# Allegro board meta_module_lay_rev1.brd (continued)
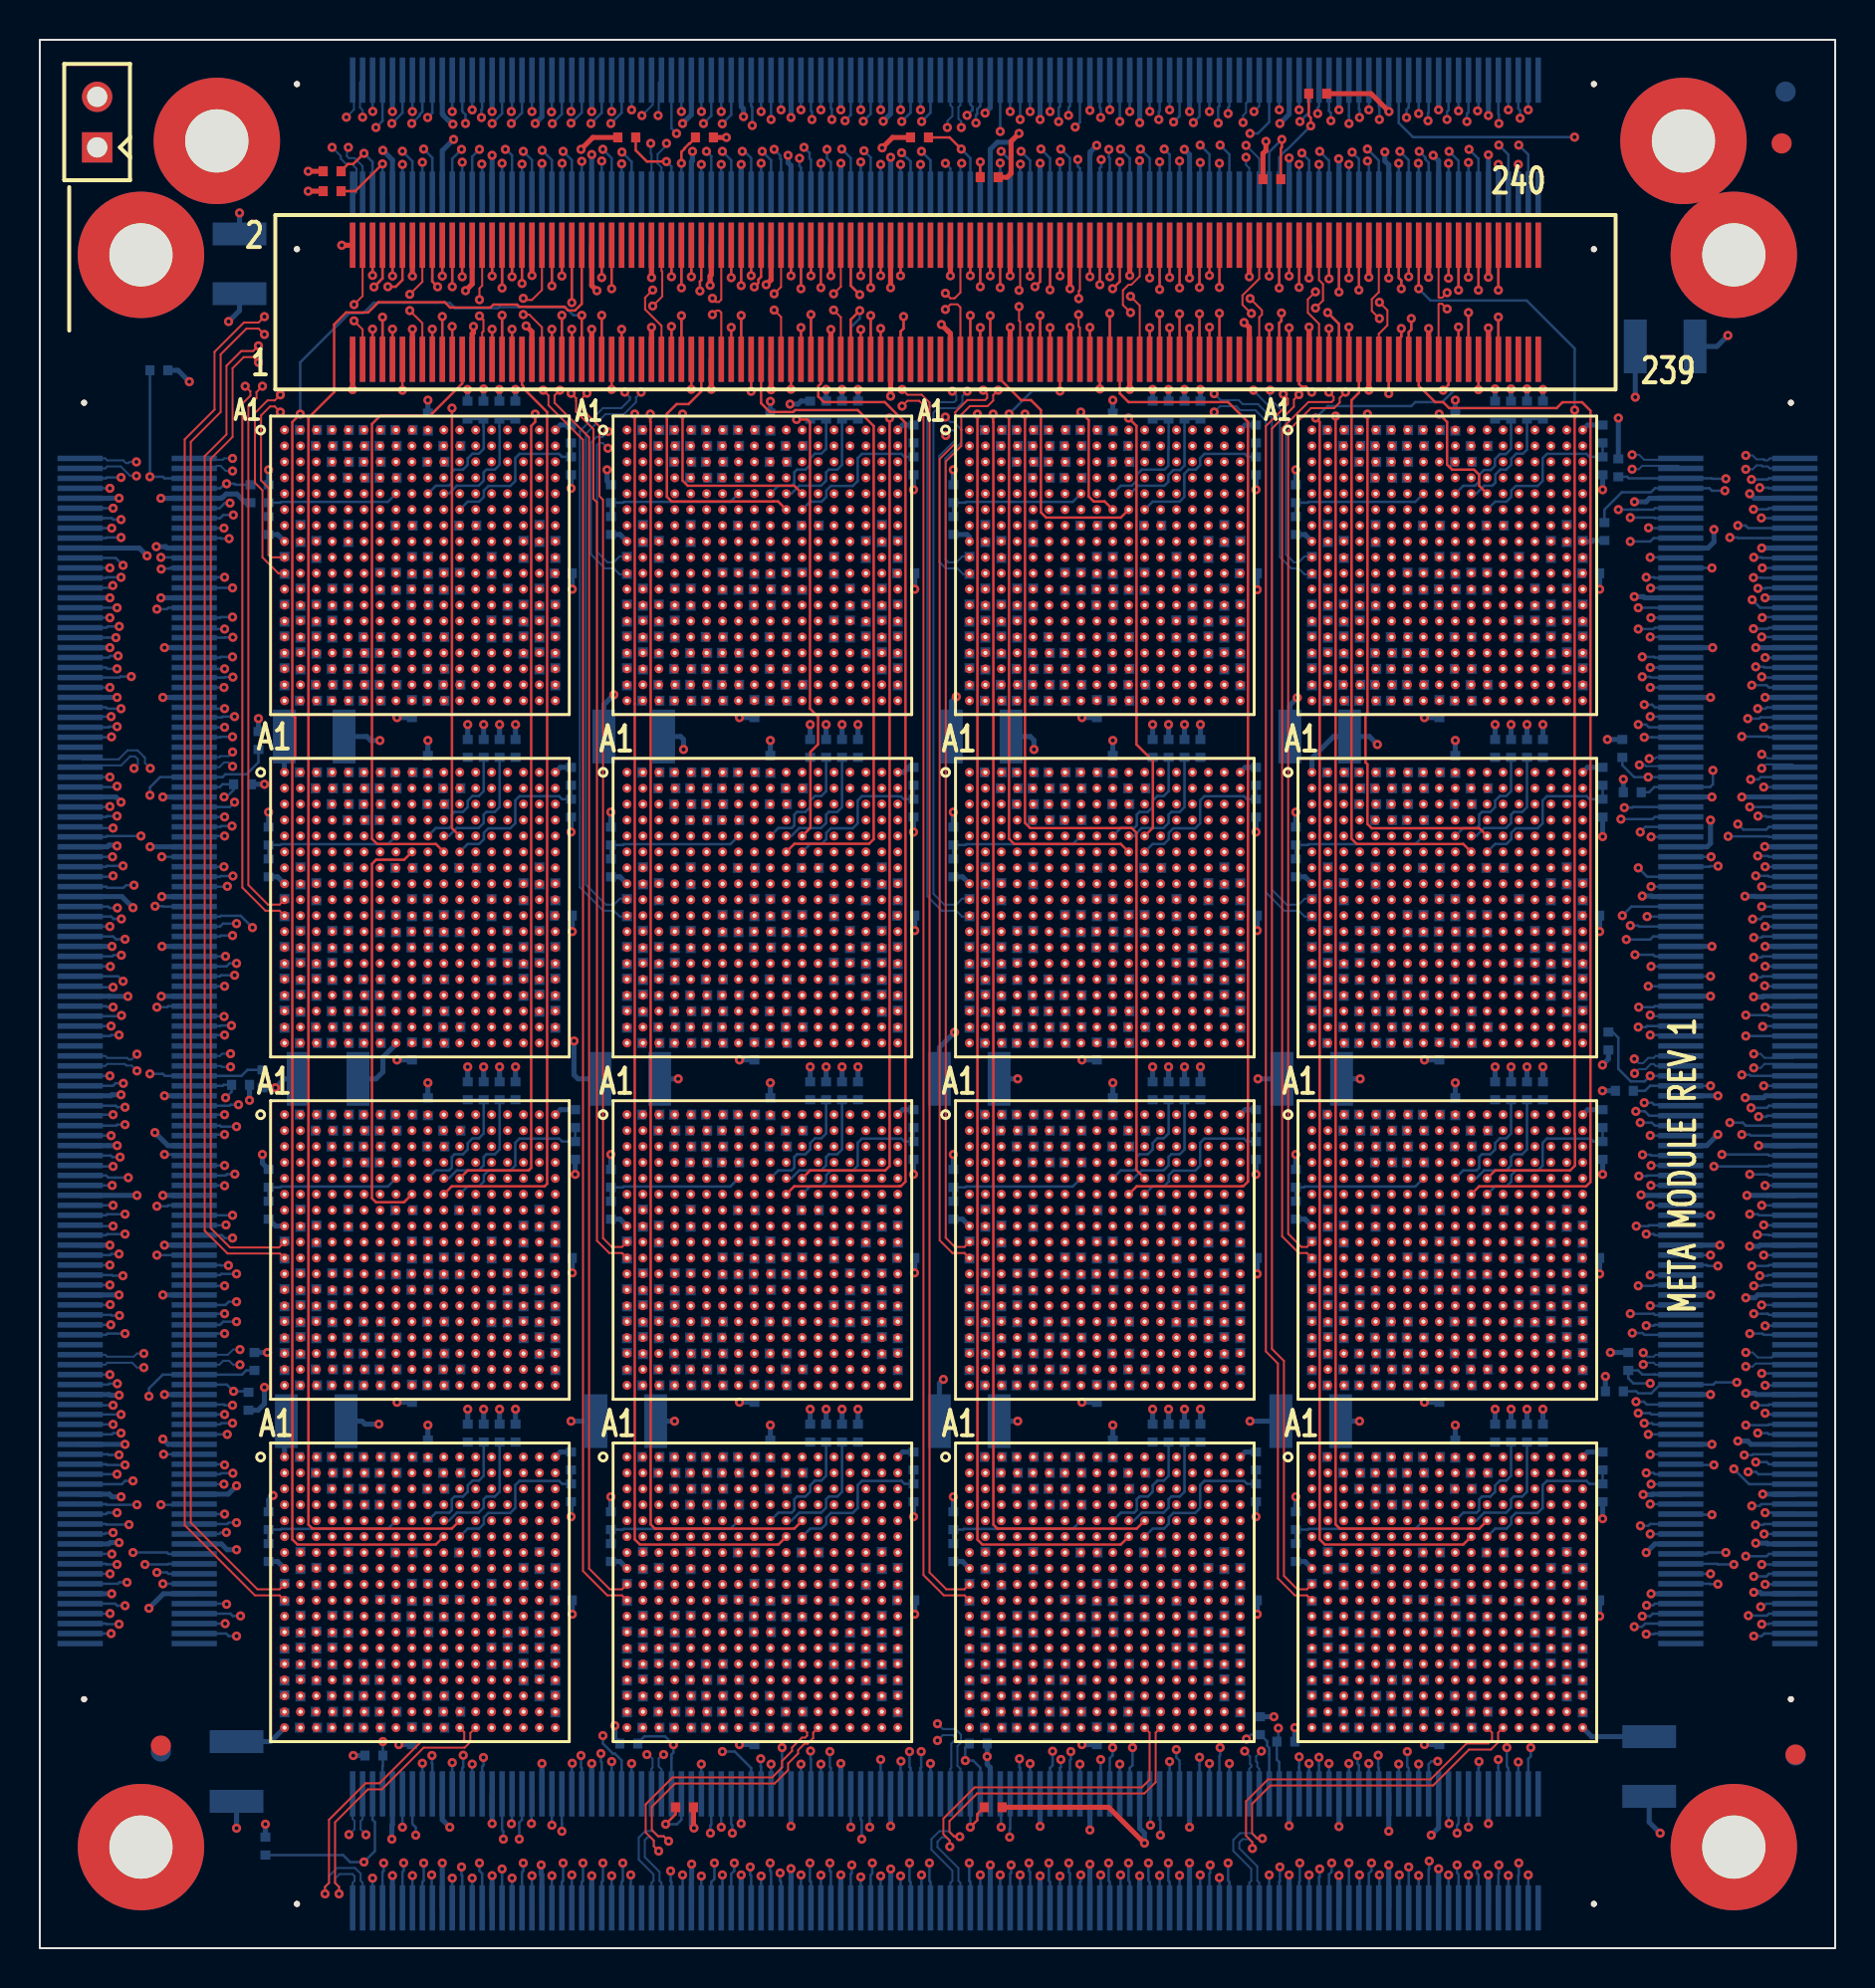
[diagram p0: board, top side]
## Routing (per net, layer and track width the routed paths; a pad name or vN(x,y) marks a point on that pad's centre or on a via; arc(x,y) is an arc through that point) (continued)
NO_LCLK_IN_P2: length 19.6
  SIGNAL_L12 w0.081: U7.A7 51.29,76.48 51.28,76.48 51.28,76.95 48.92,79.31 46.85,79.31 44.81,81.35 44.81,84.24 46.05,85.49 46.05,89.44 v1(46.3,89.68)
  BOTTOM w0.102: v1(46.3,89.68) 46.23,89.62 J1.117
NO_LCLK_IN_P3: length 25.6
  SIGNAL_L12 w0.081: U5.A7 68.45,76.52 68.45,79.01 67.88,79.58 61.85,79.58 60.11,81.32 60.11,84.24 61.68,85.81 61.68,90.15 61.38,90.45 61.01,90.45 60.88,90.58 v1(60.58,90.58)
  BOTTOM w0.102: v1(60.58,90.58) 61.24,89.91 J1.57
NO_LCLK_OUT_N0: length 27.7
  SIGNAL_L12 w0.081: U3.A12 21.38,76.57 21.38,77.31 20.78,77.91 20.78,79.85 21.08,80.15 21.08,81.78 20.41,82.45 19.64,82.45 19.25,82.84 19.25,83.74 19.34,83.83 19.34,87.31 20.01,87.98 20.01,92.08 19.34,92.75 14.96,92.75 14.88,92.67 14.88,91.68 15.05,91.51 15.57,91.51 15.65,91.59 15.65,91.74 v1(15.4,92)
  BOTTOM w0.102: J1.240 15.78,93.79 15.78,92.38 v1(15.4,92)
NO_LCLK_OUT_N1: length 29.5
  SIGNAL_L12 w0.081: v1(30.24,92.08) 30.48,91.84 30.48,91.49 30.75,91.21 31.48,91.21 31.75,91.49 31.75,92.34 32.07,92.65 34.51,92.65 34.64,92.52 34.64,91.72 35.48,90.88 35.49,90.88 36.07,90.88 36.07,90.88 38.58,90.88 38.78,90.68 38.78,90.22 38.53,89.97 38.53,88.13 40.25,86.41 40.25,80.35 38.59,78.69 38.59,76.58 U1.A12
  BOTTOM w0.102: v1(30.24,92.08) 30.78,92.62 30.78,93.8 J1.180
NO_LCLK_OUT_N2: length 28.7
  SIGNAL_L12 w0.081: v1(45.58,91.48) 45.76,91.3 45.76,91.04 46.04,90.77 47.13,90.77 48.36,92 48.36,92.43 48.61,92.68 51.71,92.68 52.04,92.36 52.04,91.99 52.37,91.65 52.37,90.16 52.5,90.03 52.5,88.5 52.04,88.04 52.04,83.67 52.85,82.86 52.85,82.04 55.18,79.7 55.18,77.71 55.73,77.16 55.73,76.52 U7.A12
  BOTTOM w0.102: v1(45.58,91.48) 45.59,91.83 45.81,92.03 45.83,92.05 45.83,92.5 45.73,92.6 J1.120
NO_LCLK_OUT_N3: length 37.4
  SIGNAL_L12 w0.081: v1(60.43,91.73) 60.75,91.73 60.98,91.5 61.47,91.5 61.81,91.84 61.81,92.45 62.24,92.88 74.91,92.88 75.45,92.34 75.45,86.55 75.06,86.16 75.06,79.7 75.86,78.9 75.86,78.13 75.55,77.81 73.81,77.81 72.93,76.93 72.93,76.52 U5.A12
  BOTTOM w0.102: J1.60 60.75,92.86 60.58,92.7 60.58,92.23 60.43,92.08 v1(60.43,91.73)
NO_LCLK_OUT_P0: length 29.7
  SIGNAL_L12 w0.081: v1(16.21,92) 15.98,91.77 15.98,91.45 15.71,91.18 14.91,91.18 14.55,91.54 14.55,92.81 14.82,93.08 19.48,93.08 20.34,92.22 20.34,87.84 19.67,87.17 19.67,83.69 19.58,83.6 19.58,82.98 19.78,82.78 20.55,82.78 21.41,81.92 21.41,80.01 21.11,79.71 21.11,78.05 21.71,77.45 21.71,76.46 U3.A13
  BOTTOM w0.102: J1.238 16.08,93.73 16.08,92.48 16.21,92.35 v1(16.21,92)
NO_LCLK_OUT_P1: length 29.3
  SIGNAL_L12 w0.081: U1.A13 38.92,76.45 38.92,78.56 40.58,80.21 40.58,86.55 38.86,88.27 38.86,89.83 39.11,90.09 39.11,90.82 38.72,91.21 35.93,91.21 35.62,91.21 34.97,91.85 34.97,92.66 34.65,92.98 31.93,92.98 31.42,92.47 31.42,91.63 31.34,91.55 30.89,91.55 30.81,91.63 30.81,91.84 v1(31.05,92.08)
  BOTTOM w0.102: J1.178 31.08,93.72 31.08,92.11 v1(31.05,92.08)
NO_LCLK_OUT_P2: length 28.7
  SIGNAL_L12 w0.081: v1(46.28,91.48) 46.09,91.29 46.09,91.18 46.17,91.1 47,91.1 48.03,92.13 48.03,92.57 48.47,93.01 51.85,93.01 52.37,92.49 52.37,92.13 52.7,91.79 52.7,90.29 52.83,90.16 52.83,88.37 52.37,87.9 52.37,83.8 53.18,82.99 53.18,82.17 55.52,79.84 55.52,77.84 56.06,77.3 56.06,76.51 U7.A13
  BOTTOM w0.102: J1.118 46.23,92.6 46.14,92.5 46.14,91.92 46.28,91.78 v1(46.28,91.48)
NO_LCLK_OUT_P3: length 37.1
  SIGNAL_L12 w0.081: U5.A13 73.26,76.51 73.26,76.79 73.95,77.48 75.68,77.48 76.19,77.99 76.19,79.04 75.39,79.84 75.39,86.02 75.78,86.41 75.78,92.48 75.05,93.21 62.1,93.21 61.48,92.59 61.48,91.98 61.33,91.83 61.12,91.83 60.98,91.97 v1(60.98,92.28)
  BOTTOM w0.102: J1.58 61.24,92.55 v1(60.98,92.28)
NO_WAIT_RD_IN_N0: length 19.7
  SIGNAL_L12 w0.083: U3.B11 19.88,75.89 19.88,76.53 18.68,77.73 18.68,79.58 18.16,80.1 18.16,87.88 18.68,88.4 v1(18.68,91.68)
  BOTTOM w0.127: v1(18.68,91.68) 19.09,92.09 19.09,92.14 19.21,92.27 J1.226
NO_WAIT_RD_IN_N1: length 20.2
  SIGNAL_L12 w0.083: v1(34.22,92.28) 33.96,92.02 33.96,91.88 33.9,91.82 33.9,89.83 33.85,89.78 33.85,88.81 36.78,85.88 36.78,83.98 37.25,83.51 37.25,79.35 37.1,79.2 37.1,78.15 37.1,78.15 37.1,75.87 U1.B11
  BOTTOM w0.127: v1(34.22,92.28) J1.166
NO_WAIT_RD_IN_N2: length 20.6
  SIGNAL_L12 w0.083: v1(49.24,91.88) 49.68,91.44 49.68,85.28 50.37,84.59 50.37,82.79 51.11,82.05 51.11,79.75 54.28,76.58 54.28,75.89 U7.B11
  BOTTOM w0.127: J1.106 v1(49.24,91.88)
NO_WAIT_RD_IN_N3: length 22.1
  SIGNAL_L12 w0.083: U5.B11 71.46,75.91 71.46,77.62 71.46,77.62 71.46,77.93 68.52,80.88 67.68,80.88 65.78,82.78 65.78,83.21 65.28,83.71 65.28,88.08 64.66,88.7 64.66,91.26 64.18,91.74 v1(64.18,92.18)
  BOTTOM w0.127: J1.46 64.25,92.55 64.18,92.48 v1(64.18,92.18)
NO_WAIT_RD_IN_P0: length 20.6
  SIGNAL_L12 w0.083: U3.B12 20.68,75.89 20.68,76.48 20.08,77.08 19.67,77.08 19.08,77.67 19.08,81.19 19.08,81.19 19.08,81.78 19.07,81.79 19.07,83.13 18.95,83.25 18.34,83.86 18.34,87.34 19.74,88.74 19.74,91.72 v1(19.48,91.98)
  BOTTOM w0.127: J1.224 19.71,92.21 v1(19.48,91.98)
NO_WAIT_RD_IN_P1: length 20.4
  SIGNAL_L12 w0.083: U1.B12 37.88,75.89 37.88,76.41 37.28,77.01 37.28,78.98 37.48,79.18 37.48,83.75 37.18,84.05 37.18,86.88 34.85,89.21 34.85,91.13 34.63,91.35 34.59,91.35 v1(34.28,91.67)
  BOTTOM w0.127: v1(34.28,91.67) 34.73,92.12 J1.164
NO_WAIT_RD_IN_P2: length 20.8
  SIGNAL_L12 w0.083: v1(49.74,92.28) 49.74,91.72 50.78,90.68 50.78,83.81 51.38,83.21 51.38,82.32 52.28,81.42 52.28,80.08 55.08,77.28 55.08,75.89 U7.B12
  BOTTOM w0.127: J1.104 v1(49.74,92.28)
NO_WAIT_RD_IN_P3: length 21.8
  SIGNAL_L12 w0.083: U5.B12 72.28,75.89 72.28,77.58 71.68,78.18 71.68,78.48 69.28,80.88 69.28,81.98 69.25,82.01 69.25,82.03 69.03,82.25 69.01,82.25 68.25,83.01 68.23,83.01 68.01,83.23 68.01,83.25 67.72,83.54 67.6,83.54 67.28,83.85 67.28,87.08 64.84,89.52 v1(64.84,91.82)
  BOTTOM w0.127: v1(64.84,91.82) 64.84,92.21 64.75,92.31 J1.44
NO_WAIT_RD_OUT_N0: length 16.1
  SIGNAL_L9 w0.083: U3.B9 19.08,75.87 19.08,78.58 19.21,78.71 v1(19.21,89.73)
  BOTTOM w0.127: v1(19.21,89.73) J1.225
NO_WAIT_RD_OUT_N1: length 24.7
  SIGNAL_L10 w0.083: v1(34.22,89.62) 34.78,90.18 34.78,90.38 35.28,90.88 39.68,90.88 39.91,90.65 39.91,90.55 39.91,90.55 39.91,89.88 39.78,89.76 39.78,88.48 39.18,87.88 39.18,83.91 38.78,83.51 38.78,82.98 37.78,81.98 37.78,80.38 36.28,78.88 36.28,77.52 36.28,75.87 U1.B9
  BOTTOM w0.127: v1(34.22,89.62) J1.165
NO_WAIT_RD_OUT_N2: length 23.9
  SIGNAL_L10 w0.083: v1(49.25,89.64) 49.91,90.29 49.91,90.55 50.31,90.95 51.77,90.95 51.77,90.95 52.23,90.95 52.24,90.95 54.25,90.95 54.86,90.34 54.86,89 55.18,88.68 55.18,78.16 53.48,76.46 53.48,75.87 U7.B9
  BOTTOM w0.127: J1.105 49.24,89.62 v1(49.25,89.64)
NO_WAIT_RD_OUT_N3: length 18.7
  SIGNAL_L6 w0.083: U5.B9 69.89,75.88 69.36,75.88 69.28,75.96 69.28,75.97 69.06,76.2 69.06,78.4 67.88,79.58 67.88,81.68 67.98,81.78 67.98,83.61 68.12,83.76 68.12,84.24 64.25,88.11 v1(64.25,89.62)
  BOTTOM w0.127: v1(64.25,89.62) J1.45
NO_WAIT_RD_OUT_P0: length 17.9
  SIGNAL_L9 w0.083: U3.B10 19.86,75.85 19.86,76.86 20.08,77.08 20.08,81.58 19.58,82.08 19.58,90.09 v1(19.28,90.39)
  BOTTOM w0.127: v1(19.28,90.39) 19.71,89.96 J1.223
NO_WAIT_RD_OUT_P1: length 26.2
  SIGNAL_L10 w0.083: v1(34.28,90.28) 34.61,90.61 34.63,90.61 34.85,90.83 34.85,90.85 35.08,91.08 40.2,91.08 40.65,90.63 40.65,82.55 39.88,81.78 39.58,81.78 37.08,79.28 37.08,78.48 37.1,78.46 37.1,78.15 37.08,78.13 37.08,75.87 U1.B10
  BOTTOM w0.127: v1(34.28,90.28) 34.73,89.83 J1.163
NO_WAIT_RD_OUT_P2: length 25.1
  SIGNAL_L10 w0.083: v1(49.28,90.28) 50.13,91.13 51.84,91.13 51.85,91.13 52.15,91.13 52.16,91.13 55.06,91.13 55.65,90.55 55.65,84.75 55.37,84.47 55.37,78.09 54.31,77.03 54.31,76.85 54.28,76.82 54.28,76.08 53.89,75.69 U7.B10
  BOTTOM w0.127: J1.103 49.74,89.82 v1(49.28,90.28)
NO_WAIT_RD_OUT_P3: length 20.2
  SIGNAL_L6 w0.083: v1(64.28,90.28) 64.62,89.94 64.62,88.84 69.12,84.34 69.12,83.83 69.08,83.78 69.08,83.73 68.88,83.53 68.88,82.88 69.28,82.48 69.28,78.78 70.68,77.38 70.68,75.89 U5.B10
  BOTTOM w0.127: v1(64.28,90.28) 64.75,89.81 J1.43
NO_WAIT_WR_IN_N0: length 21.6
  SIGNAL_L12 w0.083: U3.C10 19.08,75.09 19.08,75.61 18.78,75.91 18.54,75.91 18.32,76.13 18.32,76.44 16.2,78.56 16.2,83.1 16.1,83.2 16.1,87.1 16.1,89.4 16.86,90.16 16.86,90.86 v1(17.68,91.68)
  BOTTOM w0.127: J1.230 18.21,92.21 v1(17.68,91.68)
NO_WAIT_WR_IN_N1: length 21.9
  SIGNAL_L12 w0.083: U1.C10 36.28,75.09 36.28,75.61 35.98,75.91 35.74,75.91 35.46,76.19 35.46,76.9 34.18,78.18 34.18,78.32 34.17,78.33 34.17,85.56 31.84,87.89 31.84,90.34 32.67,91.17 32.67,91.72 v1(33.23,92.28)
  BOTTOM w0.127: J1.170 33.22,92.34 33.23,92.33 v1(33.23,92.28)
NO_WAIT_WR_IN_N2: length 22.2
  SIGNAL_L12 w0.083: U7.C10 53.48,75.09 53.48,75.68 53.28,75.88 52.88,75.88 52.66,76.1 52.66,76.43 52.31,76.78 52.15,76.78 49.11,79.83 49.11,81.75 48.61,82.25 48.61,83.59 48.28,83.92 48.28,84.78 47.84,85.22 47.84,90.88 v1(48.24,91.28)
  BOTTOM w0.127: v1(48.24,91.28) J1.110
NO_WAIT_WR_IN_N3: length 25.2
  SIGNAL_L12 w0.083: U5.C10 70.69,75.08 70.17,75.08 69.92,75.33 69.92,75.63 69.64,75.91 69.25,75.91 69.08,76.08 69.08,78.78 67.68,80.18 65.28,80.18 64.28,81.18 64.28,81.58 62.78,83.08 62.78,83.45 62.28,83.95 62.28,90.18 62.88,90.78 62.88,92 v1(63.25,92.37)
  BOTTOM w0.127: v1(63.25,92.37) J1.50
NO_WAIT_WR_IN_P0: length 22.2
  SIGNAL_L12 w0.083: U3.C11 19.86,75.11 19.86,75.63 19.64,75.85 19.4,75.85 19.12,76.13 19.12,76.85 17.28,78.69 17.28,81.49 17.58,81.8 17.58,82.1 16.28,83.41 16.28,87.18 17.78,88.68 17.78,91.04 18.31,91.57 18.31,91.88 v1(18.71,92.28)
  BOTTOM w0.127: v1(18.71,92.28) J1.228
NO_WAIT_WR_IN_P1: length 22
  SIGNAL_L12 w0.083: v1(33.33,91.68) 33.07,91.42 33.07,91.17 32.41,90.51 32.41,90.13 32.59,89.94 32.59,87.97 34.35,86.21 34.35,78.41 36.32,76.44 36.32,76.13 36.6,75.85 36.84,75.85 37.06,75.63 37.06,75.11 U1.C11
  BOTTOM w0.127: J1.168 33.72,92.07 v1(33.33,91.68)
NO_WAIT_WR_IN_P2: length 21.8
  SIGNAL_L12 w0.083: v1(48.73,92.28) 48.73,85.22 49.18,84.78 49.18,83.88 49.55,83.51 49.55,82.15 50.28,81.42 50.28,79.78 53.48,76.58 53.48,76.08 53.71,75.85 54.04,75.85 54.26,75.63 54.26,75.11 U7.C11
  BOTTOM w0.127: J1.108 v1(48.73,92.28)
NO_WAIT_WR_IN_P3: length 23.7
  SIGNAL_L12 w0.083: U5.C11 71.49,75.08 70.97,75.08 70.68,75.37 70.68,76.41 70.65,76.44 70.65,77.35 69.8,78.2 69.8,78.36 69.8,78.76 67.98,80.58 67.18,80.58 64.68,83.08 64.68,83.38 64.28,83.78 64.28,88.38 63.88,88.78 63.88,89.78 63.88,89.78 63.88,90.38 63.29,90.97 v1(63.29,91.78)
  BOTTOM w0.127: J1.48 63.75,92.24 v1(63.29,91.78)
NO_WAIT_WR_OUT_N0: length 21.6
  SIGNAL_L5 w0.083: v1(18.21,89.62) 18.21,87.41 14.28,83.48 14.28,76.08 14.48,75.88 14.88,75.88 15.08,75.68 15.08,75.28 15.31,75.05 15.64,75.05 15.86,74.83 15.86,74.59 16.17,74.28 17.49,74.28 U3.C8
  BOTTOM w0.127: v1(18.21,89.62) J1.229
NO_WAIT_WR_OUT_N1: length 22.3
  SIGNAL_L5 w0.083: U1.C8 34.69,74.28 33.37,74.28 33.06,74.59 33.06,74.83 32.81,75.08 30.97,75.08 30.68,75.37 30.68,76.54 30.28,76.94 30.28,77.42 31.28,78.42 31.28,86.18 33.22,88.12 v1(33.22,89.62)
  BOTTOM w0.127: v1(33.22,89.62) J1.169
NO_WAIT_WR_OUT_N2: length 20.7
  SIGNAL_L5 w0.083: U7.C8 51.89,74.28 50.57,74.28 50.26,74.59 50.26,74.83 50.04,75.05 49.71,75.05 49.46,75.3 49.46,75.63 49.17,75.91 48.94,75.91 48.66,76.2 48.66,76.58 48.28,76.95 48.28,77.58 48.58,77.88 48.58,80.08 48.28,80.38 48.28,82.18 48.61,82.51 48.61,83.59 48.24,83.96 v1(48.24,89.69)
  BOTTOM w0.127: v1(48.24,89.69) J1.109
NO_WAIT_WR_OUT_N3: length 19.7
  SIGNAL_L6 w0.083: v1(63.25,89.62) 63.25,87.01 66.28,83.98 66.28,83.81 66.62,83.46 66.62,83.16 66.48,83.02 66.48,79.28 67.18,78.58 67.18,77.88 67.46,77.6 67.46,76.1 67.68,75.88 68.03,75.88 68.27,75.64 68.27,75.29 68.48,75.08 69.09,75.08 U5.C8
  BOTTOM w0.127: v1(63.25,89.62) J1.49
NO_WAIT_WR_OUT_P0: length 26
  SIGNAL_L5 w0.083: U3.C9 18.29,74.28 17.77,74.28 17.46,73.96 17.46,73.73 17.21,73.48 16.17,73.48 15.86,73.8 15.86,74.03 15.58,74.31 15.25,74.31 15.08,74.48 15.08,74.88 14.85,75.11 14.54,75.11 14.28,75.37 14.28,75.68 14.08,75.88 13.68,75.88 13.48,76.08 13.48,83.18 17.78,87.48 17.78,89.86 v1(18.21,90.29)
  BOTTOM w0.127: J1.227 18.71,89.78 v1(18.21,90.29)
NO_WAIT_WR_OUT_P1: length 27.8
  SIGNAL_L5 w0.083: U1.C9 35.49,74.28 34.95,74.28 34.66,73.99 34.66,73.66 34.48,73.48 33.37,73.48 33.06,73.8 33.06,74.03 32.81,74.28 30.97,74.28 30.68,74.57 30.68,74.88 30.48,75.08 30.17,75.08 29.88,75.37 29.88,76.55 29.48,76.95 29.48,77.55 29.83,77.91 29.83,79.43 30.35,79.95 30.35,87.05 31.84,88.54 31.84,89.84 32.41,90.41 32.41,90.43 32.63,90.65 32.93,90.65 33.04,90.54 33.22,90.54 v1(33.48,90.28)
  BOTTOM w0.127: v1(33.48,90.28) 33.72,90.04 J1.167
NO_WAIT_WR_OUT_P2: length 25.4
  SIGNAL_L5 w0.083: v1(48.28,90.28) 47.78,89.78 47.78,85.88 46.28,84.38 46.28,79.48 46.98,78.78 46.98,77.88 47.48,77.38 47.48,76.88 47.92,76.44 47.92,76.13 48.14,75.91 48.45,75.91 48.72,75.64 48.72,75.33 48.94,75.11 49.25,75.11 49.48,74.88 49.48,74.57 49.74,74.31 49.98,74.31 50.26,74.03 50.26,73.8 50.54,73.51 51.64,73.51 51.86,73.73 51.86,73.96 52.17,74.28 52.69,74.28 U7.C9
  BOTTOM w0.127: v1(48.28,90.28) 48.73,89.83 J1.107
NO_WAIT_WR_OUT_P3: length 21.3
  SIGNAL_L6 w0.083: U5.C9 69.87,75.1 69.33,75.1 69.11,75.32 69.11,75.6 68.85,75.86 68.57,75.86 68.48,75.95 68.48,75.97 68.32,76.13 68.32,78.34 66.88,79.78 66.88,83.55 67.12,83.8 67.12,84.24 63.78,87.58 63.78,89.8 v1(63.38,90.2)
  BOTTOM w0.127: v1(63.38,90.2) 63.75,89.83 J1.47
NS_DATA_N0: length 10.3
  SIGNAL_L5 w0.083: U4.V3 13.89,45.11 16.51,42.49 17.89,42.49 18.29,42.09 18.29,40.09 18.53,39.85 19.92,39.85 U11.D11
NS_DATA_N0_SNOW4-1: length 10.3
  SIGNAL_L5 w0.083: U4.D11 19.92,57.05 18.53,57.05 18.29,57.29 18.29,59.29 17.89,59.69 16.51,59.69 13.89,62.31 U3.V3
NS_DATA_N0_SNOW4-2: length 10.1
  SIGNAL_L5 w0.083: U7.V3 51.28,59.69 52.29,59.69 52.69,59.29 52.69,57.29 52.93,57.05 54.32,57.05 U8.D11
NS_DATA_N0_SNOW4-3: length 10.1
  SIGNAL_L5 w0.083: U11.V3 16.88,25.29 17.89,25.29 18.29,24.89 18.29,22.89 18.53,22.65 19.92,22.65 U12.D11
NS_DATA_N0_SNOW4-4: length 10.3
  SIGNAL_L5 w0.083: U15.V3 48.29,27.91 50.91,25.29 52.29,25.29 52.69,24.89 52.69,22.89 52.93,22.65 54.32,22.65 U16.D11
NS_DATA_N1: length 12.6
  SIGNAL_L9 w0.083: U4.U4 15.09,45.88 15.09,45.09 17.49,42.69 17.49,39.34 17.73,39.1 20.28,39.1 20.29,39.09 20.49,39.09 20.69,39.29 20.69,39.84 21.09,40.24 U11.C12
NS_DATA_N1_SNOW4-1: length 12.6
  SIGNAL_L9 w0.083: U4.C12 21.09,57.44 20.69,57.04 20.69,56.49 20.49,56.29 20.29,56.29 20.28,56.3 17.73,56.3 17.49,56.54 17.49,59.67 15.09,62.07 15.09,63.08 U3.U4
NS_DATA_N1_SNOW4-2: length 12.6
  SIGNAL_L9 w0.083: U8.C12 55.49,57.44 55.09,57.04 55.09,56.49 54.89,56.29 54.69,56.29 54.68,56.3 52.13,56.3 51.89,56.54 51.89,60.12 49.49,62.52 49.49,63.08 U7.U4
NS_DATA_N1_SNOW4-3: length 12.6
  SIGNAL_L9 w0.083: U12.C12 21.09,23.04 20.69,22.64 20.69,22.09 20.49,21.89 20.29,21.89 20.28,21.9 17.73,21.9 17.49,22.14 17.49,25.34 15.09,27.74 15.09,28.68 U11.U4
NS_DATA_N1_SNOW4-4: length 12.6
  SIGNAL_L9 w0.083: U15.U4 49.49,28.68 49.49,27.89 51.89,25.49 51.89,22.14 52.13,21.9 54.68,21.9 54.69,21.89 54.89,21.89 55.09,22.09 55.09,22.64 55.49,23.04 U16.C12
NS_DATA_N2: length 17.2
  SIGNAL_L6 w0.083: U11.B13 21.49,41.48 21.49,42.89 20.69,43.69 20.69,47.22 20.93,47.46 21.26,47.46 21.49,47.69 21.49,48.82 21.22,49.09 18.56,49.09 18.29,48.82 18.29,46.89 18.09,46.69 15.88,46.69 U4.T5
NS_DATA_N2_SNOW4-1: length 17.2
  SIGNAL_L6 w0.083: U4.B13 21.49,58.68 21.49,60.09 20.69,60.89 20.69,64.42 20.93,64.66 21.26,64.66 21.49,64.89 21.49,66.02 21.22,66.29 18.56,66.29 18.29,66.02 18.29,64.09 18.09,63.89 15.88,63.89 U3.T5
NS_DATA_N2_SNOW4-2: length 17.2
  SIGNAL_L6 w0.083: U8.B13 55.89,58.68 55.89,60.09 55.09,60.89 55.09,64.42 55.33,64.66 55.66,64.66 55.89,64.89 55.89,66.02 55.62,66.29 52.96,66.29 52.69,66.02 52.69,64.09 52.49,63.89 50.28,63.89 U7.T5
NS_DATA_N2_SNOW4-3: length 17.2
  SIGNAL_L6 w0.083: U11.T5 15.88,29.49 18.09,29.49 18.29,29.69 18.29,31.62 18.56,31.89 21.22,31.89 21.49,31.62 21.49,30.49 21.26,30.26 20.93,30.26 20.69,30.02 20.69,26.49 21.49,25.69 21.49,24.28 U12.B13
NS_DATA_N2_SNOW4-4: length 17.2
  SIGNAL_L6 w0.083: U16.B13 55.89,24.28 55.89,25.69 55.09,26.49 55.09,30.02 55.33,30.26 55.66,30.26 55.89,30.49 55.89,31.62 55.62,31.89 52.96,31.89 52.69,31.62 52.69,29.69 52.49,29.49 50.28,29.49 U15.T5
NS_DATA_N3: length 10.9
  SIGNAL_L5 w0.083: U4.R6 16.69,47.48 16.69,46.89 16.89,46.69 17.29,46.69 17.49,46.49 17.49,46.09 17.69,45.89 21.2,45.89 21.49,45.6 21.49,45.07 21.92,44.64 21.92,43.64 22.69,42.87 U11.A14
NS_DATA_N3_SNOW4-1: length 10.9
  SIGNAL_L5 w0.083: U3.R6 16.69,64.68 16.69,64.09 16.89,63.89 17.29,63.89 17.49,63.69 17.49,63.29 17.69,63.09 21.2,63.09 21.49,62.8 21.49,62.27 21.92,61.84 21.92,60.84 22.69,60.07 U4.A14
NS_DATA_N3_SNOW4-2: length 10.9
  SIGNAL_L5 w0.083: U8.A14 57.09,60.07 56.32,60.84 56.32,61.84 55.89,62.27 55.89,62.8 55.6,63.09 52.09,63.09 51.89,63.29 51.89,63.69 51.69,63.89 51.29,63.89 51.09,64.09 51.09,64.68 U7.R6
NS_DATA_N3_SNOW4-3: length 10.9
  SIGNAL_L5 w0.083: U11.R6 16.69,30.28 16.69,29.69 16.89,29.49 17.29,29.49 17.49,29.29 17.49,28.89 17.69,28.69 21.2,28.69 21.49,28.4 21.49,27.87 21.92,27.44 21.92,26.44 22.69,25.67 U12.A14
NS_DATA_N3_SNOW4-4: length 10.9
  SIGNAL_L5 w0.083: U16.A14 57.09,25.67 56.32,26.44 56.32,27.44 55.89,27.87 55.89,28.4 55.6,28.69 52.09,28.69 51.89,28.89 51.89,29.29 51.69,29.49 51.29,29.49 51.09,29.69 51.09,30.28 U15.R6
NS_DATA_N4: length 9.8
  SIGNAL_L5 w0.083: U4.V5 17.68,43.29 18.87,43.29 19.89,42.27 19.89,41.69 20.09,41.49 20.49,41.49 20.69,41.29 20.69,40.88 20.89,40.68 21.29,40.68 21.49,40.48 21.5,40.48 21.5,39.87 U11.D13
NS_DATA_N4_SNOW4-1: length 10.4
  SIGNAL_L5 w0.083: U4.D13 21.5,57.07 21.5,57.68 21.49,57.68 21.29,57.88 20.89,57.88 20.69,58.08 20.69,58.49 20.49,58.69 20.09,58.69 19.89,58.89 19.89,59.47 19.05,60.31 16.93,60.31 16.9,60.33 16.88,60.33 15.49,61.72 U3.V5
NS_DATA_N4_SNOW4-2: length 9.8
  SIGNAL_L5 w0.083: U8.D13 55.9,57.07 55.9,57.68 55.89,57.68 55.69,57.88 55.29,57.88 55.09,58.08 55.09,58.49 54.89,58.69 54.49,58.69 54.29,58.89 54.29,59.47 53.27,60.49 52.08,60.49 U7.V5
NS_DATA_N4_SNOW4-3: length 10.4
  SIGNAL_L5 w0.083: U11.V5 16.66,27.11 16.66,26.18 16.88,25.96 19,25.96 19.89,25.07 19.89,24.49 20.09,24.29 20.49,24.29 20.69,24.09 20.69,23.68 20.89,23.48 21.29,23.48 21.49,23.28 21.5,23.28 21.5,22.67 U12.D13
NS_DATA_N4_SNOW4-4: length 10.1
  SIGNAL_L5 w0.083: U15.V5 49.89,27.87 51.67,26.09 53.27,26.09 54.29,25.07 54.29,24.49 54.49,24.29 54.89,24.29 55.09,24.09 55.09,23.68 55.29,23.48 55.69,23.48 55.89,23.28 55.9,23.28 55.9,22.67 U16.D13
NS_DATA_N5: length 10.2
  SIGNAL_L5 w0.083: U4.U6 16.72,45.85 16.72,45.24 17.87,44.09 20.09,44.09 21.49,42.69 21.49,41.69 21.69,41.49 22.09,41.49 22.29,41.29 22.29,40.68 U11.C14
NS_DATA_N5_SNOW4-1: length 10.2
  SIGNAL_L5 w0.083: U3.U6 16.72,63.05 16.72,62.44 17.85,61.31 19.91,61.31 19.93,61.29 20.09,61.29 21.49,59.89 21.49,58.89 21.69,58.69 22.09,58.69 22.29,58.49 22.29,57.88 U4.C14
NS_DATA_N5_SNOW4-2: length 10.2
  SIGNAL_L5 w0.083: U8.C14 56.69,57.88 56.69,58.49 56.49,58.69 56.09,58.69 55.89,58.89 55.89,59.89 54.49,61.29 52.27,61.29 51.12,62.44 51.12,63.05 U7.U6
NS_DATA_N5_SNOW4-3: length 10.2
  SIGNAL_L5 w0.083: U11.U6 16.72,28.65 16.72,28.04 17.87,26.89 20.09,26.89 21.49,25.49 21.49,24.49 21.69,24.29 22.09,24.29 22.29,24.09 22.29,23.48 U12.C14
NS_DATA_N5_SNOW4-4: length 10
  SIGNAL_L5 w0.083: U15.U6 51.12,28.65 51.12,28.13 51.73,27.53 51.73,27.52 52.35,26.89 54.27,26.89 55.89,25.27 55.89,24.49 56.09,24.29 56.49,24.29 56.69,24.09 56.69,23.48 U16.C14
NS_DATA_N6: length 14.1
  SIGNAL_L9 w0.083: U4.T7 17.49,47.48 17.49,48.02 17.75,48.28 22.03,48.28 22.29,48.02 22.29,47.74 22.57,47.46 22.85,47.46 23.07,47.24 23.07,45.09 23.48,44.68 23.48,42.45 23.07,42.04 23.07,41.5 U11.B15
NS_DATA_N6_SNOW4-1: length 14.1
  SIGNAL_L9 w0.083: U4.B15 23.07,58.7 23.07,59.24 23.48,59.65 23.48,61.88 23.07,62.29 23.07,64.44 22.85,64.66 22.57,64.66 22.29,64.94 22.29,65.22 22.03,65.48 17.75,65.48 17.49,65.22 17.49,64.68 U3.T7
NS_DATA_N6_SNOW4-2: length 14.1
  SIGNAL_L9 w0.083: U8.B15 57.47,58.7 57.47,59.24 57.88,59.65 57.88,61.88 57.47,62.29 57.47,64.44 57.25,64.66 56.97,64.66 56.69,64.94 56.69,65.22 56.43,65.48 52.15,65.48 51.89,65.22 51.89,64.68 U7.T7
NS_DATA_N6_SNOW4-3: length 14.1
  SIGNAL_L9 w0.083: U11.T7 17.49,30.28 17.49,30.82 17.75,31.08 22.03,31.08 22.29,30.82 22.29,30.54 22.57,30.26 22.85,30.26 23.07,30.04 23.07,27.89 23.48,27.48 23.48,25.25 23.07,24.84 23.07,24.3 U12.B15
NS_DATA_N6_SNOW4-4: length 14.1
  SIGNAL_L9 w0.083: U15.T7 51.89,30.28 51.89,30.82 52.15,31.08 56.43,31.08 56.69,30.82 56.69,30.54 56.97,30.26 57.25,30.26 57.47,30.04 57.47,27.89 57.88,27.48 57.88,25.25 57.47,24.84 57.47,24.3 U16.B15
NS_DATA_N7: length 11.8
  SIGNAL_L5 w0.083: U11.A16 24.29,44.69 23.88,45.1 23.88,47.21 23.61,47.48 18.29,47.48 U4.R8
NS_DATA_N7_SNOW4-1: length 11.8
  SIGNAL_L5 w0.083: U3.R8 18.29,64.68 23.61,64.68 23.88,64.41 23.88,62.3 24.29,61.89 U4.A16
NS_DATA_N7_SNOW4-2: length 11.8
  SIGNAL_L5 w0.083: U7.R8 52.69,64.68 58.01,64.68 58.28,64.41 58.28,62.3 58.69,61.89 U8.A16
NS_DATA_N7_SNOW4-3: length 11.8
  SIGNAL_L5 w0.083: U12.A16 24.29,27.49 23.88,27.9 23.88,30.01 23.61,30.28 18.29,30.28 U11.R8
NS_DATA_N7_SNOW4-4: length 11.8
  SIGNAL_L5 w0.083: U15.R8 52.69,30.28 58.01,30.28 58.28,30.01 58.28,27.9 58.69,27.49 U16.A16
NS_DATA_N8: length 10.3
  SIGNAL_L5 w0.083: U9.D11 37.12,39.85 35.73,39.85 35.49,40.09 35.49,42.09 35.09,42.49 33.78,42.49 31.39,44.88 31.28,44.88 31.09,45.07 U2.V3
NS_DATA_N8_SNOW4-1: length 10.3
  SIGNAL_L5 w0.083: U1.V3 31.09,62.31 33.71,59.69 35.09,59.69 35.49,59.29 35.49,57.29 35.73,57.05 37.12,57.05 U2.D11
NS_DATA_N8_SNOW4-2: length 11
  SIGNAL_L5 w0.083: U6.D11 71.52,57.05 70.13,57.05 69.89,57.29 69.89,59.29 69.49,59.69 66.82,59.69 65.49,61.02 U5.V3
NS_DATA_N8_SNOW4-3: length 10.3
  SIGNAL_L5 w0.083: U9.V3 31.09,27.91 33.71,25.29 35.09,25.29 35.49,24.89 35.49,22.89 35.73,22.65 37.12,22.65 U10.D11
NS_DATA_N8_SNOW4-4: length 10.3
  SIGNAL_L5 w0.083: U14.D11 71.52,22.65 70.13,22.65 69.89,22.89 69.89,24.89 69.49,25.29 68.11,25.29 65.49,27.91 U13.V3
NS_DATA_N9: length 12.6
  SIGNAL_L9 w0.083: U2.U4 32.29,45.88 32.29,45.09 34.69,42.69 34.69,39.34 34.93,39.1 37.48,39.1 37.49,39.09 37.69,39.09 37.89,39.29 37.89,39.84 38.29,40.24 U9.C12
NS_DATA_N9_SNOW4-1: length 12.6
  SIGNAL_L9 w0.083: U2.C12 38.29,57.44 37.89,57.04 37.89,56.49 37.69,56.29 37.49,56.29 37.48,56.3 34.93,56.3 34.69,56.54 34.69,59.89 32.29,62.29 32.29,63.08 U1.U4
NS_DATA_N9_SNOW4-2: length 12.6
  SIGNAL_L9 w0.083: U6.C12 72.69,57.44 72.29,57.04 72.29,56.49 72.09,56.29 71.89,56.29 71.88,56.3 69.33,56.3 69.09,56.54 69.09,59.89 66.69,62.29 66.69,63.08 U5.U4
NS_DATA_N9_SNOW4-3: length 12.6
  SIGNAL_L9 w0.083: U9.U4 32.29,28.68 32.29,27.89 34.69,25.49 34.69,22.14 34.93,21.9 37.48,21.9 37.49,21.89 37.69,21.89 37.89,22.09 37.89,22.64 38.29,23.04 U10.C12
NS_DATA_N9_SNOW4-4: length 12.6
  SIGNAL_L9 w0.083: U13.U4 66.69,28.68 66.69,27.89 69.09,25.49 69.09,22.14 69.33,21.9 71.88,21.9 71.89,21.89 72.09,21.89 72.29,22.09 72.29,22.64 72.69,23.04 U14.C12
NS_DATA_N10: length 17.2
  SIGNAL_L6 w0.083: U2.T5 33.08,46.69 35.29,46.69 35.49,46.89 35.49,48.82 35.76,49.09 38.42,49.09 38.69,48.82 38.69,47.69 38.46,47.46 38.13,47.46 37.89,47.22 37.89,43.69 38.69,42.89 38.69,41.48 U9.B13
NS_DATA_N10_SNOW4-1: length 17.2
  SIGNAL_L6 w0.083: U2.B13 38.69,58.68 38.69,60.09 37.89,60.89 37.89,64.42 38.13,64.66 38.46,64.66 38.69,64.89 38.69,66.02 38.42,66.29 35.76,66.29 35.49,66.02 35.49,64.09 35.29,63.89 33.08,63.89 U1.T5
NS_DATA_N10_SNOW4-2: length 17.2
  SIGNAL_L6 w0.083: U6.B13 73.09,58.68 73.09,60.09 72.29,60.89 72.29,64.42 72.53,64.66 72.86,64.66 73.09,64.89 73.09,66.02 72.82,66.29 70.16,66.29 69.89,66.02 69.89,64.09 69.69,63.89 67.48,63.89 U5.T5
NS_DATA_N10_SNOW4-3: length 17.2
  SIGNAL_L6 w0.083: U9.T5 33.08,29.49 35.29,29.49 35.49,29.69 35.49,31.62 35.76,31.89 38.42,31.89 38.69,31.62 38.69,30.49 38.46,30.26 38.13,30.26 37.89,30.02 37.89,26.49 38.69,25.69 38.69,24.28 U10.B13
NS_DATA_N10_SNOW4-4: length 17.2
  SIGNAL_L6 w0.083: U14.B13 73.09,24.28 73.09,25.69 72.29,26.49 72.29,30.02 72.53,30.26 72.86,30.26 73.09,30.49 73.09,31.62 72.82,31.89 70.16,31.89 69.89,31.62 69.89,29.69 69.69,29.49 67.48,29.49 U13.T5
NS_DATA_N11: length 10.9
  SIGNAL_L5 w0.083: U9.A14 39.89,42.87 39.12,43.64 39.12,44.64 38.69,45.07 38.69,45.6 38.4,45.89 34.89,45.89 34.69,46.09 34.69,46.49 34.49,46.69 34.09,46.69 33.89,46.89 33.89,47.48 U2.R6
NS_DATA_N11_SNOW4-1: length 10.9
  SIGNAL_L5 w0.083: U1.R6 33.89,64.68 33.89,64.09 34.09,63.89 34.49,63.89 34.69,63.69 34.69,63.29 34.89,63.09 38.4,63.09 38.69,62.8 38.69,62.27 39.12,61.84 39.12,60.84 39.89,60.07 U2.A14
NS_DATA_N11_SNOW4-2: length 10.9
  SIGNAL_L5 w0.083: U6.A14 74.29,60.07 73.52,60.84 73.52,61.84 73.09,62.27 73.09,62.8 72.8,63.09 69.29,63.09 69.09,63.29 69.09,63.69 68.89,63.89 68.49,63.89 68.29,64.09 68.29,64.68 U5.R6
NS_DATA_N11_SNOW4-3: length 10.9
  SIGNAL_L5 w0.083: U10.A14 39.89,25.67 39.12,26.44 39.12,27.44 38.69,27.87 38.69,28.4 38.4,28.69 34.89,28.69 34.69,28.89 34.69,29.29 34.49,29.49 34.09,29.49 33.89,29.69 33.89,30.28 U9.R6